# KiCad board keyboardv2.kicad_pcb
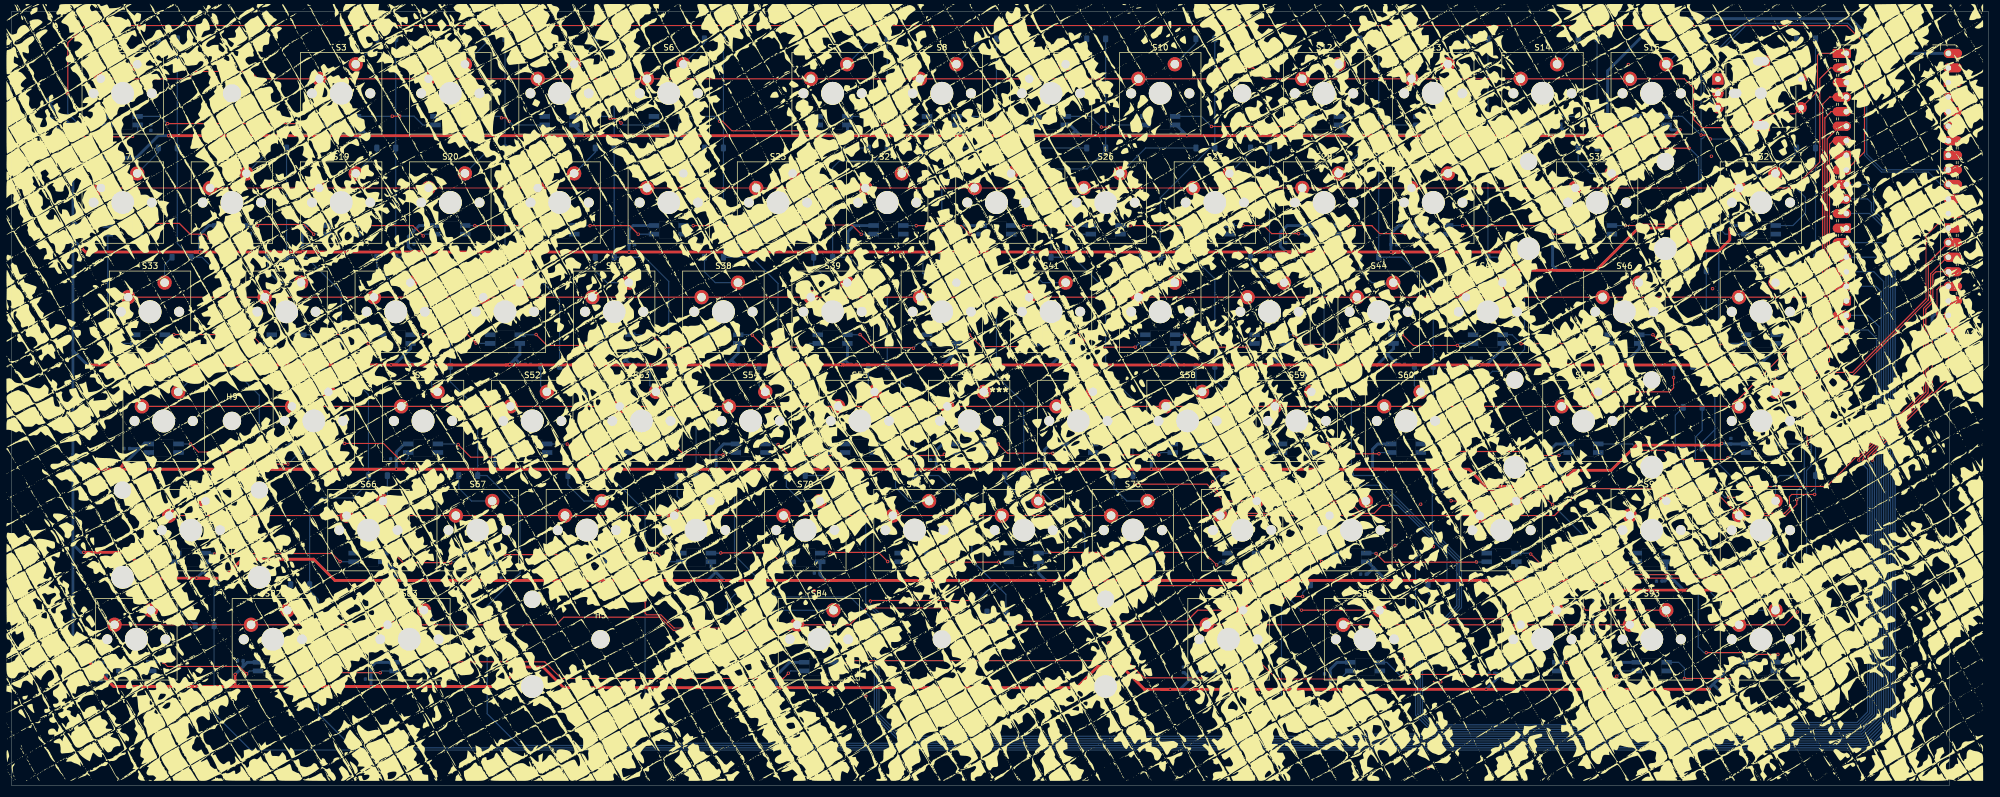
[diagram p0: board, top side]
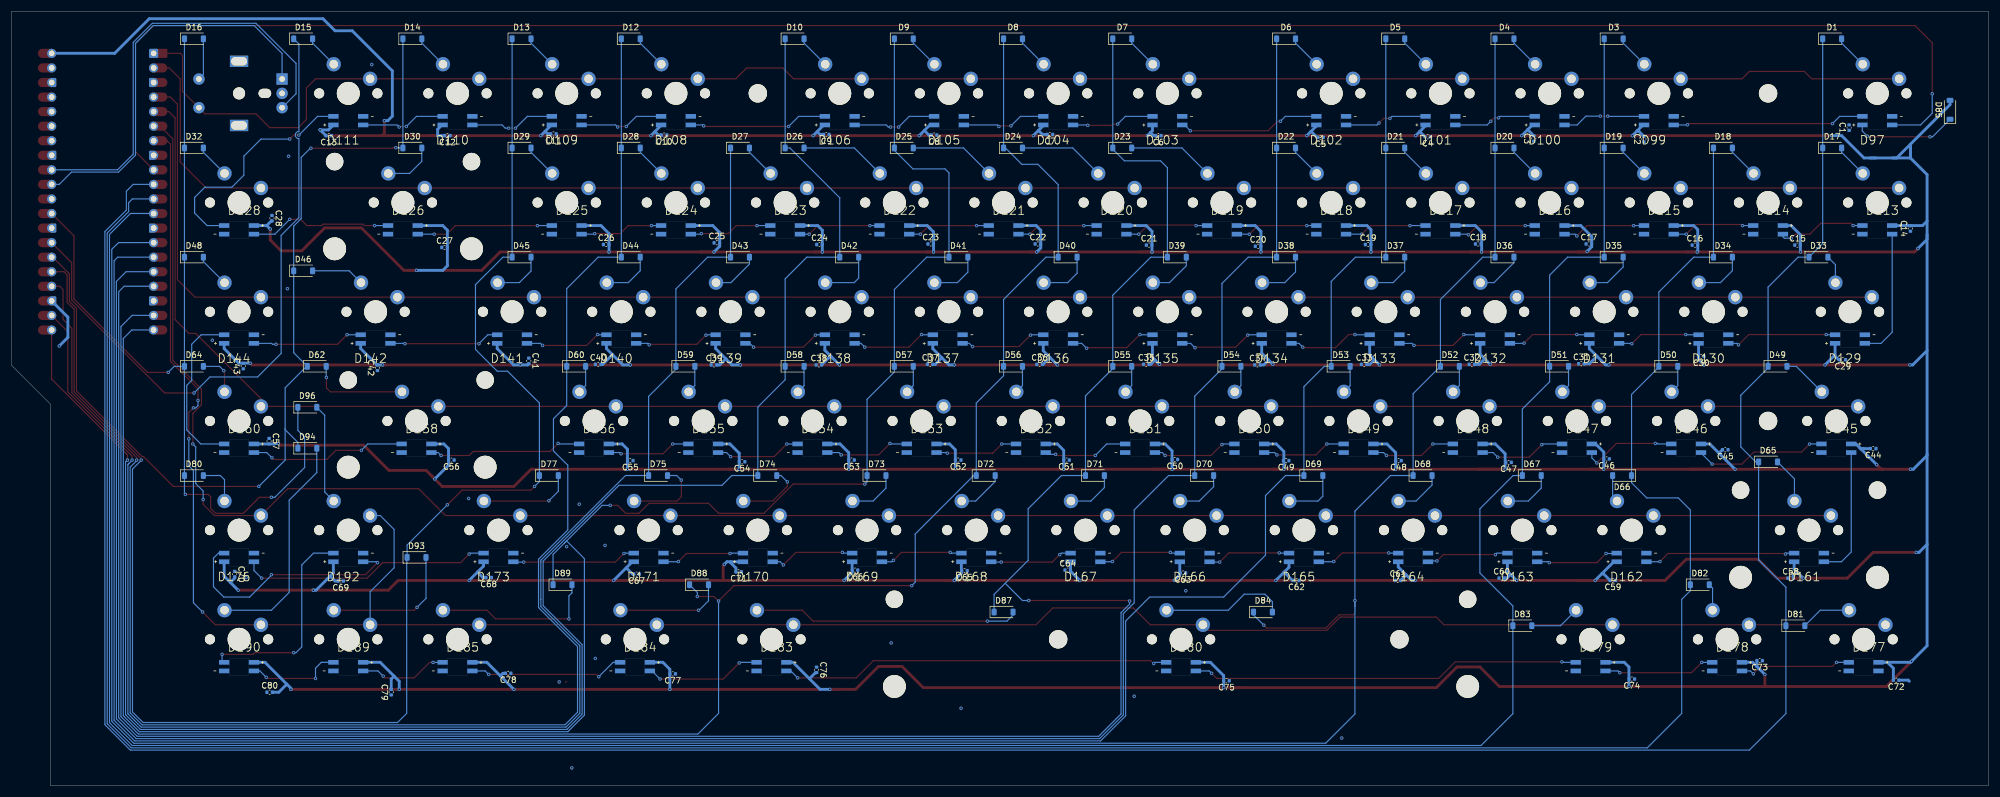
[diagram p1: board, bottom side, seen from below]

Outline 344.86 x 135.04 mm; copper layers: Top, Bottom. Coordinates in mm from the lower left corner of the outline.
Outline path: 0,135.04 0,0 338.06,0 338.06,66.54 344.86,73.33 344.86,135.04 closed
Stack: Top 0.035mm / dielectric 1.51mm FR4 er 4.5 / Bottom 0.035mm

## Placement (name value [footprint] x y rotation side)
A1  RaspberryPi_Pico  [RaspberryPi_Pico_Common_Unspecified]  328.95 103.6 0 top
C1  100nF  [C_0402_1005Metric]  24.32 114.78 90 bottom
C2  100nF  [C_0402_1005Metric]  60.12 112.78 90 bottom
C3  100nF  [C_0402_1005Metric]  79.32 112.88 90 bottom
C4  100nF  [C_0402_1005Metric]  97.82 113.18 0 bottom
C5  100nF  [C_0402_1005Metric]  116.52 113.08 0 bottom
C6  100nF  [C_0402_1005Metric]  144.82 113.38 0 bottom
C7  100nF  [C_0402_1005Metric]  163.72 113.58 0 bottom
C8  100nF  [C_0402_1005Metric]  183.92 113.48 0 bottom
C9  100nF  [C_0402_1005Metric]  202.72 113.58 0 bottom
C10  100nF  [C_0402_1005Metric]  231.02 113.48 0 bottom
C11  100nF  [C_0402_1005Metric]  250.32 113.68 0 bottom
C12  100nF  [C_0402_1005Metric]  268.82 113.38 0 bottom
C13  100nF  [C_0402_1005Metric]  289.52 113.38 0 bottom
C14  100nF  [C_0402_1005Metric]  13.62 97.18 90 bottom
C15  100nF  [C_0402_1005Metric]  33.32 94.28 180 bottom
C16  100nF  [C_0402_1005Metric]  51.22 94.28 180 bottom
C17  100nF  [C_0402_1005Metric]  69.72 94.48 180 bottom
C18  100nF  [C_0402_1005Metric]  89.02 94.48 180 bottom
C19  100nF  [C_0402_1005Metric]  108.22 94.38 180 bottom
C20  100nF  [C_0402_1005Metric]  127.42 94.08 180 bottom
C21  100nF  [C_0402_1005Metric]  146.42 94.28 180 bottom
C22  100nF  [C_0402_1005Metric]  165.82 94.48 180 bottom
C23  100nF  [C_0402_1005Metric]  184.52 94.48 180 bottom
C24  100nF  [C_0402_1005Metric]  203.92 94.38 180 bottom
C25  100nF  [C_0402_1005Metric]  221.82 94.68 180 bottom
C26  100nF  [C_0402_1005Metric]  241.12 94.38 180 bottom
C27  100nF  [C_0402_1005Metric]  269.32 93.88 180 bottom
C28  100nF  [C_0402_1005Metric]  299.42 98.98 270 bottom
C29  100nF  [C_0402_1005Metric]  25.42 74.28 0 bottom
C30  100nF  [C_0402_1005Metric]  50.12 74.88 0 bottom
C31  100nF  [C_0402_1005Metric]  71.02 73.58 180 bottom
C32  100nF  [C_0402_1005Metric]  90.12 73.48 180 bottom
C33  100nF  [C_0402_1005Metric]  108.92 73.48 180 bottom
C34  100nF  [C_0402_1005Metric]  127.52 73.38 180 bottom
C35  100nF  [C_0402_1005Metric]  146.92 73.48 180 bottom
C36  100nF  [C_0402_1005Metric]  165.52 73.48 180 bottom
C37  100nF  [C_0402_1005Metric]  184.62 73.48 180 bottom
C38  100nF  [C_0402_1005Metric]  204.02 73.38 180 bottom
C39  100nF  [C_0402_1005Metric]  222.32 73.38 180 bottom
C40  100nF  [C_0402_1005Metric]  242.52 73.48 180 bottom
C41  100nF  [C_0402_1005Metric]  254.62 74.08 270 bottom
C42  100nF  [C_0402_1005Metric]  281.02 72.88 90 bottom
C43  100nF  [C_0402_1005Metric]  304.42 73.18 90 bottom
C44  100nF  [C_0402_1005Metric]  20.12 58.78 0 bottom
C45  100nF  [C_0402_1005Metric]  45.92 58.58 0 bottom
C46  100nF  [C_0402_1005Metric]  66.62 56.98 0 bottom
C47  100nF  [C_0402_1005Metric]  83.72 56.38 0 bottom
C48  100nF  [C_0402_1005Metric]  102.92 56.68 0 bottom
C49  100nF  [C_0402_1005Metric]  122.52 56.68 0 bottom
C50  100nF  [C_0402_1005Metric]  141.92 56.88 0 bottom
C51  100nF  [C_0402_1005Metric]  160.82 56.78 0 bottom
C52  100nF  [C_0402_1005Metric]  179.72 56.78 0 bottom
C53  100nF  [C_0402_1005Metric]  198.32 56.78 0 bottom
C54  100nF  [C_0402_1005Metric]  217.42 56.48 0 bottom
C55  100nF  [C_0402_1005Metric]  236.92 56.68 0 bottom
C56  100nF  [C_0402_1005Metric]  268.12 56.78 0 bottom
C57  100nF  [C_0402_1005Metric]  299.92 60.08 270 bottom
C58  100nF  [C_0402_1005Metric]  34.52 36.18 180 bottom
C59  100nF  [C_0402_1005Metric]  65.52 35.78 0 bottom
C60  100nF  [C_0402_1005Metric]  84.92 36.18 180 bottom
C61  100nF  [C_0402_1005Metric]  103.02 35.78 180 bottom
C62  100nF  [C_0402_1005Metric]  120.72 35.78 0 bottom
C63  100nF  [C_0402_1005Metric]  140.52 37.08 0 bottom
C64  100nF  [C_0402_1005Metric]  160.62 37.58 180 bottom
C65  100nF  [C_0402_1005Metric]  178.62 37.48 0 bottom
C66  100nF  [C_0402_1005Metric]  197.72 37.58 0 bottom
C67  100nF  [C_0402_1005Metric]  235.82 36.88 0 bottom
C68  100nF  [C_0402_1005Metric]  261.62 36.28 0 bottom
C69  100nF  [C_0402_1005Metric]  287.42 35.68 0 bottom
C70  100nF  [C_0402_1005Metric]  305.92 36.88 270 bottom
C71  100nF  [C_0402_1005Metric]  218.02 37.28 0 bottom
C72  100nF  [C_0402_1005Metric]  16.12 18.38 0 bottom
C73  100nF  [C_0402_1005Metric]  39.92 21.78 0 bottom
C74  100nF  [C_0402_1005Metric]  62.22 18.58 0 bottom
C75  100nF  [C_0402_1005Metric]  132.92 18.28 0 bottom
C76  100nF  [C_0402_1005Metric]  204.42 20.18 270 bottom
C77  100nF  [C_0402_1005Metric]  229.52 19.48 0 bottom
C78  100nF  [C_0402_1005Metric]  258.22 19.58 0 bottom
C79  100nF  [C_0402_1005Metric]  278.62 16.28 90 bottom
C80  100nF  [C_0402_1005Metric]  299.82 16.28 180 bottom
D1  Diode  [D_SOD-123]  27.28 130.28 180 bottom
D3  Diode  [D_SOD-123]  65.38 130.28 180 bottom
D4  Diode  [D_SOD-123]  84.43 130.28 180 bottom
D5  Diode  [D_SOD-123]  103.48 130.28 180 bottom
D6  Diode  [D_SOD-123]  122.53 130.28 180 bottom
D7  Diode  [D_SOD-123]  151.11 130.28 180 bottom
D8  Diode  [D_SOD-123]  170.16 130.28 180 bottom
D9  Diode  [D_SOD-123]  189.21 130.28 180 bottom
D10  Diode  [D_SOD-123]  208.26 130.28 180 bottom
D12  Diode  [D_SOD-123]  236.83 130.28 180 bottom
D13  Diode  [D_SOD-123]  255.88 130.28 180 bottom
D14  Diode  [D_SOD-123]  274.93 130.28 180 bottom
D15  Diode  [D_SOD-123]  293.98 130.28 180 bottom
D16  Diode  [D_SOD-123]  313.03 130.28 180 bottom
D17  Diode  [D_SOD-123]  27.28 111.23 180 bottom
D18  Diode  [D_SOD-123]  46.33 111.23 180 bottom
D19  Diode  [D_SOD-123]  65.38 111.23 180 bottom
D20  Diode  [D_SOD-123]  84.43 111.23 180 bottom
D21  Diode  [D_SOD-123]  103.48 111.23 180 bottom
D22  Diode  [D_SOD-123]  122.53 111.23 180 bottom
D23  Diode  [D_SOD-123]  151.11 111.23 180 bottom
D24  Diode  [D_SOD-123]  170.16 111.23 180 bottom
D25  Diode  [D_SOD-123]  189.21 111.23 180 bottom
D26  Diode  [D_SOD-123]  208.26 111.23 180 bottom
D27  Diode  [D_SOD-123]  217.78 111.23 180 bottom
D28  Diode  [D_SOD-123]  236.83 111.23 180 bottom
D29  Diode  [D_SOD-123]  255.88 111.23 180 bottom
D30  Diode  [D_SOD-123]  274.93 111.23 180 bottom
D32  Diode  [D_SOD-123]  313.03 111.23 180 bottom
D33  Diode  [D_SOD-123]  29.66 92.18 180 bottom
D34  Diode  [D_SOD-123]  46.33 92.18 180 bottom
D35  Diode  [D_SOD-123]  65.38 92.18 180 bottom
D36  Diode  [D_SOD-123]  84.43 92.18 180 bottom
D37  Diode  [D_SOD-123]  103.48 92.18 180 bottom
D38  Diode  [D_SOD-123]  122.53 92.18 180 bottom
D39  Diode  [D_SOD-123]  141.58 92.18 180 bottom
D40  Diode  [D_SOD-123]  160.63 92.18 180 bottom
D41  Diode  [D_SOD-123]  179.68 92.18 180 bottom
D42  Diode  [D_SOD-123]  198.73 92.18 180 bottom
D43  Diode  [D_SOD-123]  217.78 92.18 180 bottom
D44  Diode  [D_SOD-123]  236.83 92.18 180 bottom
D45  Diode  [D_SOD-123]  255.88 92.18 180 bottom
D46  Diode  [D_SOD-123]  293.98 89.8 180 bottom
D48  Diode  [D_SOD-123]  313.03 92.18 180 bottom
D49  Diode  [D_SOD-123]  36.81 73.13 180 bottom
D50  Diode  [D_SOD-123]  55.86 73.13 180 bottom
D51  Diode  [D_SOD-123]  74.91 73.13 180 bottom
D52  Diode  [D_SOD-123]  93.96 73.13 180 bottom
D53  Diode  [D_SOD-123]  113.01 73.13 180 bottom
D54  Diode  [D_SOD-123]  132.06 73.13 180 bottom
D55  Diode  [D_SOD-123]  151.11 73.13 180 bottom
D56  Diode  [D_SOD-123]  170.16 73.13 180 bottom
D57  Diode  [D_SOD-123]  189.21 73.13 180 bottom
D58  Diode  [D_SOD-123]  208.26 73.13 180 bottom
D59  Diode  [D_SOD-123]  227.31 73.13 180 bottom
D60  Diode  [D_SOD-123]  246.36 73.13 180 bottom
D62  Diode  [D_SOD-123]  291.6 73.13 180 bottom
D64  Diode  [D_SOD-123]  313.03 73.13 180 bottom
D65  Diode  [D_SOD-123]  38.46 56.46 180 bottom
D66  Diode  [D_SOD-123]  63.92 54.08 0 bottom
D67  Diode  [D_SOD-123]  79.67 54.08 180 bottom
D68  Diode  [D_SOD-123]  98.72 54.08 180 bottom
D69  Diode  [D_SOD-123]  117.77 54.08 180 bottom
D70  Diode  [D_SOD-123]  136.82 54.08 180 bottom
D71  Diode  [D_SOD-123]  155.87 54.08 180 bottom
D72  Diode  [D_SOD-123]  174.92 54.08 180 bottom
D73  Diode  [D_SOD-123]  193.97 54.08 180 bottom
D74  Diode  [D_SOD-123]  213.02 54.08 180 bottom
D75  Diode  [D_SOD-123]  232.07 54.08 180 bottom
D77  Diode  [D_SOD-123]  251.12 54.08 180 bottom
D80  Diode  [D_SOD-123]  313.03 54.08 180 bottom
D81  Diode  [D_SOD-123]  33.69 27.89 180 bottom
D82  Diode  [D_SOD-123]  50.36 35.03 180 bottom
D83  Diode  [D_SOD-123]  81.32 27.89 180 bottom
D84  Diode  [D_SOD-123]  126.56 30.27 180 bottom
D85  Diode  [D_SOD-123]  6.72 117.88 90 bottom
D87  Diode  [D_SOD-123]  171.81 30.27 180 bottom
D88  Diode  [D_SOD-123]  224.93 35.03 180 bottom
D89  Diode  [D_SOD-123]  248.74 35.03 180 bottom
D93  Diode  [D_SOD-123]  274.2 39.79 180 bottom
D94  Diode  [D_SOD-123]  293.25 58.84 180 bottom
D96  Diode  [D_SOD-123]  293.25 65.99 180 bottom
D97  LED_SK6812MINI  [LED_SK6812-E]  19.41 115.99 0 bottom
D99  LED_SK6812MINI  [LED_SK6812-E]  57.51 115.99 0 bottom
D100  LED_SK6812MINI  [LED_SK6812-E]  76.56 115.99 0 bottom
D101  LED_SK6812MINI  [LED_SK6812-E]  95.61 115.99 0 bottom
D102  LED_SK6812MINI  [LED_SK6812-E]  114.66 115.99 0 bottom
D103  LED_SK6812MINI  [LED_SK6812-E]  143.23 115.99 0 bottom
D104  LED_SK6812MINI  [LED_SK6812-E]  162.28 115.99 0 bottom
D105  LED_SK6812MINI  [LED_SK6812-E]  181.33 115.99 0 bottom
D106  LED_SK6812MINI  [LED_SK6812-E]  200.38 115.99 0 bottom
D108  LED_SK6812MINI  [LED_SK6812-E]  228.96 115.99 0 bottom
D109  LED_SK6812MINI  [LED_SK6812-E]  248.01 115.99 0 bottom
D110  LED_SK6812MINI  [LED_SK6812-E]  267.06 115.99 0 bottom
D111  LED_SK6812MINI  [LED_SK6812-E]  286.11 115.99 0 bottom
D113  LED_SK6812MINI  [LED_SK6812-E]  19.41 96.94 180 bottom
D114  LED_SK6812MINI  [LED_SK6812-E]  38.46 96.94 180 bottom
D115  LED_SK6812MINI  [LED_SK6812-E]  57.51 96.94 180 bottom
D116  LED_SK6812MINI  [LED_SK6812-E]  76.56 96.94 180 bottom
D117  LED_SK6812MINI  [LED_SK6812-E]  95.61 96.94 180 bottom
D118  LED_SK6812MINI  [LED_SK6812-E]  114.66 96.94 180 bottom
D119  LED_SK6812MINI  [LED_SK6812-E]  133.71 96.94 180 bottom
D120  LED_SK6812MINI  [LED_SK6812-E]  152.98 96.94 180 bottom
D121  LED_SK6812MINI  [LED_SK6812-E]  171.81 96.94 180 bottom
D122  LED_SK6812MINI  [LED_SK6812-E]  190.86 96.94 180 bottom
D123  LED_SK6812MINI  [LED_SK6812-E]  209.91 96.94 180 bottom
D124  LED_SK6812MINI  [LED_SK6812-E]  228.96 96.94 180 bottom
D125  LED_SK6812MINI  [LED_SK6812-E]  248.01 96.94 180 bottom
D126  LED_SK6812MINI  [LED_SK6812-E]  276.58 96.94 180 bottom
D128  LED_SK6812MINI  [LED_SK6812-E]  305.16 96.94 180 bottom
D129  LED_SK6812MINI  [LED_SK6812-E]  24.17 77.89 0 bottom
D130  LED_SK6812MINI  [LED_SK6812-E]  47.98 77.89 0 bottom
D131  LED_SK6812MINI  [LED_SK6812-E]  67.03 77.89 0 bottom
D132  LED_SK6812MINI  [LED_SK6812-E]  86.08 77.89 0 bottom
D133  LED_SK6812MINI  [LED_SK6812-E]  105.35 77.89 0 bottom
D134  LED_SK6812MINI  [LED_SK6812-E]  124.18 77.89 0 bottom
D135  LED_SK6812MINI  [LED_SK6812-E]  143.23 77.89 0 bottom
D136  LED_SK6812MINI  [LED_SK6812-E]  162.28 77.89 0 bottom
D137  LED_SK6812MINI  [LED_SK6812-E]  181.55 77.89 0 bottom
D138  LED_SK6812MINI  [LED_SK6812-E]  200.38 77.89 0 bottom
D139  LED_SK6812MINI  [LED_SK6812-E]  219.43 77.89 0 bottom
D140  LED_SK6812MINI  [LED_SK6812-E]  238.48 77.89 0 bottom
D141  LED_SK6812MINI  [LED_SK6812-E]  257.53 77.89 0 bottom
D142  LED_SK6812MINI  [LED_SK6812-E]  281.34 77.89 0 bottom
D144  LED_SK6812MINI  [LED_SK6812-E]  305.16 77.89 0 bottom
D145  LED_SK6812MINI  [LED_SK6812-E]  26.55 58.84 180 bottom
D146  LED_SK6812MINI  [LED_SK6812-E]  52.74 58.84 180 bottom
D147  LED_SK6812MINI  [LED_SK6812-E]  71.79 58.84 180 bottom
D148  LED_SK6812MINI  [LED_SK6812-E]  90.84 58.84 180 bottom
D149  LED_SK6812MINI  [LED_SK6812-E]  109.89 58.84 180 bottom
D150  LED_SK6812MINI  [LED_SK6812-E]  128.94 58.84 180 bottom
D151  LED_SK6812MINI  [LED_SK6812-E]  147.99 58.84 180 bottom
D152  LED_SK6812MINI  [LED_SK6812-E]  167.04 58.84 180 bottom
D153  LED_SK6812MINI  [LED_SK6812-E]  186.09 58.84 180 bottom
D154  LED_SK6812MINI  [LED_SK6812-E]  205.14 58.84 180 bottom
D155  LED_SK6812MINI  [LED_SK6812-E]  224.19 58.84 180 bottom
D156  LED_SK6812MINI  [LED_SK6812-E]  243.24 58.84 180 bottom
D158  LED_SK6812MINI  [LED_SK6812-E]  274.2 58.84 180 bottom
D160  LED_SK6812MINI  [LED_SK6812-E]  305.16 58.84 180 bottom
D161  LED_SK6812MINI  [LED_SK6812-E]  31.31 39.79 0 bottom
D162  LED_SK6812MINI  [LED_SK6812-E]  62.27 39.79 0 bottom
D163  LED_SK6812MINI  [LED_SK6812-E]  81.32 39.79 0 bottom
D164  LED_SK6812MINI  [LED_SK6812-E]  100.37 39.79 0 bottom
D165  LED_SK6812MINI  [LED_SK6812-E]  119.42 39.79 0 bottom
D166  LED_SK6812MINI  [LED_SK6812-E]  138.47 39.79 0 bottom
D167  LED_SK6812MINI  [LED_SK6812-E]  157.52 39.79 0 bottom
D168  LED_SK6812MINI  [LED_SK6812-E]  176.57 39.79 0 bottom
D169  LED_SK6812MINI  [LED_SK6812-E]  195.62 39.79 0 bottom
D170  LED_SK6812MINI  [LED_SK6812-E]  214.67 39.79 0 bottom
D171  LED_SK6812MINI  [LED_SK6812-E]  233.72 39.79 0 bottom
D173  LED_SK6812MINI  [LED_SK6812-E]  259.91 39.79 0 bottom
D176  LED_SK6812MINI  [LED_SK6812-E]  305.16 39.79 0 bottom
D177  LED_SK6812MINI  [LED_SK6812-E]  21.79 20.74 180 bottom
D178  LED_SK6812MINI  [LED_SK6812-E]  45.6 20.74 180 bottom
D179  LED_SK6812MINI  [LED_SK6812-E]  69.41 20.74 180 bottom
D180  LED_SK6812MINI  [LED_SK6812-E]  140.85 20.74 180 bottom
D183  LED_SK6812MINI  [LED_SK6812-E]  212.29 20.74 180 bottom
D184  LED_SK6812MINI  [LED_SK6812-E]  236.1 20.74 180 bottom
D185  LED_SK6812MINI  [LED_SK6812-E]  267.06 20.74 180 bottom
D189  LED_SK6812MINI  [LED_SK6812-E]  286.11 20.74 180 bottom
D190  LED_SK6812MINI  [LED_SK6812-E]  305.16 20.74 180 bottom
D192  LED_SK6812MINI  [LED_SK6812-E]  286.11 39.79 0 bottom
G***  -  [LOGO]  171.52 68.58 0 top
H1  Mounting_Hole  [Stabilizer_MX_2.00u]  276.55 101.87 0 top
H2  Mounting_Hole  [Stabilizer_MX_2.00u]  31.31 44.56 0 top
H3  Mounting_Hole  [Stabilizer_MX_2.00u]  274.17 63.77 0 top
H4  Mounting_Hole  [Stabilizer_MX_6.25u]  140.85 25.51 0 top
H5  Mounting_Hole  [MountingHole_3.2mm_M3]  102.75 25.51 0 top
H6  Mounting_Hole  [MountingHole_3.2mm_M3]  162.28 25.51 0 top
H7  Mounting_Hole  [MountingHole_3.2mm_M3]  38.46 120.76 0 top
H8  Mounting_Hole  [MountingHole_3.2mm_M3]  214.67 120.76 0 top
H9  Mounting_Hole  [MountingHole_3.2mm_M3]  38.46 63.61 0 top
S1  Keyswitch  [MX_PCB_1.00u]  19.41 120.76 0 top
S3  Keyswitch  [MX_PCB_1.00u]  57.51 120.76 0 top
S4  Keyswitch  [MX_PCB_1.00u]  76.56 120.76 0 top
S5  Keyswitch  [MX_PCB_1.00u]  95.61 120.76 0 top
S6  Keyswitch  [MX_PCB_1.00u]  114.66 120.76 0 top
S7  Keyswitch  [MX_PCB_1.00u]  143.23 120.76 0 top
S8  Keyswitch  [MX_PCB_1.00u]  162.28 120.76 0 top
S9  Keyswitch  [MX_PCB_1.00u]  181.33 120.76 0 top
S10  Keyswitch  [MX_PCB_1.00u]  200.38 120.76 0 top
S12  Keyswitch  [MX_PCB_1.00u]  228.96 120.76 0 top
S13  Keyswitch  [MX_PCB_1.00u]  248.01 120.76 0 top
S14  Keyswitch  [MX_PCB_1.00u]  267.06 120.76 0 top
S15  Keyswitch  [MX_PCB_1.00u]  286.11 120.76 0 top
S17  Keyswitch  [MX_PCB_1.00u]  19.41 101.71 0 top
S18  Keyswitch  [MX_PCB_1.00u]  38.46 101.71 0 top
S19  Keyswitch  [MX_PCB_1.00u]  57.51 101.71 0 top
S20  Keyswitch  [MX_PCB_1.00u]  76.56 101.71 0 top
S21  Keyswitch  [MX_PCB_1.00u]  95.61 101.71 0 top
S22  Keyswitch  [MX_PCB_1.00u]  114.66 101.71 0 top
S23  Keyswitch  [MX_PCB_1.00u]  133.71 101.71 0 top
S24  Keyswitch  [MX_PCB_1.00u]  152.76 101.71 0 top
S25  Keyswitch  [MX_PCB_1.00u]  171.81 101.71 0 top
S26  Keyswitch  [MX_PCB_1.00u]  190.86 101.71 0 top
S27  Keyswitch  [MX_PCB_1.00u]  209.91 101.71 0 top
S28  Keyswitch  [MX_PCB_1.00u]  228.96 101.71 0 top
S29  Keyswitch  [MX_PCB_1.00u]  248.01 101.71 0 top
S30  Keyswitch  [MX_PCB_2.00u]  276.58 101.71 0 top
S32  Keyswitch  [MX_PCB_1.00u]  305.16 101.71 0 top
S33  Keyswitch  [MX_PCB_1.50u]  24.17 82.66 0 top
S34  Keyswitch  [MX_PCB_1.00u]  47.98 82.66 0 top
S35  Keyswitch  [MX_PCB_1.00u]  67.03 82.66 0 top
S36  Keyswitch  [MX_PCB_1.00u]  86.08 82.66 0 top
S37  Keyswitch  [MX_PCB_1.00u]  105.13 82.66 0 top
S38  Keyswitch  [MX_PCB_1.00u]  124.18 82.66 0 top
S39  Keyswitch  [MX_PCB_1.00u]  143.23 82.66 0 top
S40  Keyswitch  [MX_PCB_1.00u]  162.28 82.66 0 top
S41  Keyswitch  [MX_PCB_1.00u]  181.33 82.66 0 top
S42  Keyswitch  [MX_PCB_1.00u]  200.38 82.66 0 top
S43  Keyswitch  [MX_PCB_1.00u]  219.43 82.66 0 top
S44  Keyswitch  [MX_PCB_1.00u]  238.48 82.66 0 top
S45  Keyswitch  [MX_PCB_1.00u]  257.53 82.66 0 top
S46  Keyswitch  [MX_PCB_1.50u]  281.34 82.66 0 top
S48  Keyswitch  [MX_PCB_1.00u]  305.16 82.66 0 top
S49  Keyswitch  [MX_PCB_1.75u]  26.55 63.61 0 top
S50  Keyswitch  [MX_PCB_1.00u]  52.74 63.61 0 top
S51  Keyswitch  [MX_PCB_1.00u]  71.79 63.61 0 top
S52  Keyswitch  [MX_PCB_1.00u]  90.84 63.61 0 top
S53  Keyswitch  [MX_PCB_1.00u]  109.89 63.61 0 top
S54  Keyswitch  [MX_PCB_1.00u]  128.94 63.61 0 top
S55  Keyswitch  [MX_PCB_1.00u]  147.99 63.61 0 top
S56  Keyswitch  [MX_PCB_1.00u]  167.04 63.61 0 top
S57  Keyswitch  [MX_PCB_1.00u]  186.09 63.61 0 top
S58  Keyswitch  [MX_PCB_1.00u]  205.14 63.61 0 top
S59  Keyswitch  [MX_PCB_1.00u]  224.19 63.61 0 top
S60  Keyswitch  [MX_PCB_1.00u]  243.24 63.61 0 top
S62  Keyswitch  [MX_PCB_2.25u]  274.2 63.61 0 top
S64  Keyswitch  [MX_PCB_1.00u]  305.16 63.61 0 top
S65  Keyswitch  [MX_PCB_2.25u]  31.31 44.56 0 top
S66  Keyswitch  [MX_PCB_1.00u]  62.27 44.56 0 top
S67  Keyswitch  [MX_PCB_1.00u]  81.32 44.56 0 top
S68  Keyswitch  [MX_PCB_1.00u]  100.37 44.56 0 top
S69  Keyswitch  [MX_PCB_1.00u]  119.42 44.56 0 top
S70  Keyswitch  [MX_PCB_1.00u]  138.47 44.56 0 top
S71  Keyswitch  [MX_PCB_1.00u]  157.52 44.56 0 top
S72  Keyswitch  [MX_PCB_1.00u]  176.57 44.56 0 top
S73  Keyswitch  [MX_PCB_1.00u]  195.62 44.56 0 top
S74  Keyswitch  [MX_PCB_1.00u]  214.67 44.56 0 top
S75  Keyswitch  [MX_PCB_1.00u]  233.72 44.56 0 top
S77  Keyswitch  [MX_PCB_1.75u]  259.91 44.56 0 top
S80  Keyswitch  [MX_PCB_1.00u]  305.16 44.56 0 top
S81  Keyswitch  [MX_PCB_1.25u]  21.79 25.51 0 top
S82  Keyswitch  [MX_PCB_1.25u]  45.6 25.51 0 top
S83  Keyswitch  [MX_PCB_1.25u]  69.41 25.51 0 top
S84  Keyswitch  [MX_PCB_6.25u]  140.85 25.51 0 top
S87  Keyswitch  [MX_PCB_1.25u]  212.29 25.51 0 top
S88  Keyswitch  [MX_PCB_1.25u]  236.1 25.51 0 top
S89  Keyswitch  [MX_PCB_1.00u]  267.06 25.51 0 top
S93  Keyswitch  [MX_PCB_1.00u]  286.11 25.51 0 top
S94  Keyswitch  [MX_PCB_1.00u]  305.16 25.51 0 top
S96  Keyswitch  [MX_PCB_1.00u]  286.11 44.56 0 top
SW1  RotaryEncoder_Switch_MP  [RotaryEncoder_Alps_EC11E-Switch_Vertical_H20mm_MountingHoles]  297.66 123.26 0 top

## Library data of the parts
A1 = -: Datasheet: https://datasheets.raspberrypi.com/pico/pico-datasheet.pdf; Description: Versatile and inexpensive microcontroller module powered by RP2040 dual-core Arm Cortex-M0+ processor up to 133 MHz, 264kB SRAM, 2MB QSPI flash; also supports Raspberry Pi Pico 2; ki_fp_filters: RaspberryPi?Pico?Common* RaspberryPi?Pico?SMD*
C1-C80 = -: Description: Unpolarized capacitor; ki_fp_filters: C_*
D1 D3-D10 D12-D30 D32-D46 D48-D60 D62 D64-D75 D77 D80-D85 D87-D89 D93 D94 D96 = -: Description: 1N4148 (DO-35) or 1N4148W (SOD-123); Sim.Device: D; Sim.Pins: 1=K 2=A; ki_fp_filters: D*DO?35*
D97 D99-D106 D108-D111 D113-D126 D128-D142 D144-D156 D158 D160-D171 D173 D176-D180 D183-D185 D189 D190 D192 = -: Datasheet: https://cdn-shop.adafruit.com/product-files/2686/SK6812MINI_REV.01-1-2.pdf; Description: RGB LED with integrated controller; LCSC: C5149201; ki_fp_filters: LED*SK6812MINI*PLCC*3.5x3.5mm*P1.75mm*
H1-H9 = -: Description: Mounting Hole without connection; ki_fp_filters: MountingHole*
S1 S3-S10 S12-S15 S17-S30 S32-S46 S48-S60 S62 S64-S75 S77 S80-S84 S87-S89 S93 S94 S96 = -: Description: Push button switch, normally open, two pins, 45° tilted
SW1 = -: Description: Rotary encoder, dual channel, incremental quadrate outputs, with switch and MP Pin; ki_fp_filters: RotaryEncoder*Switch*
